# Altium PCB PCB.PcbDoc (part 1 of 4) (continued)
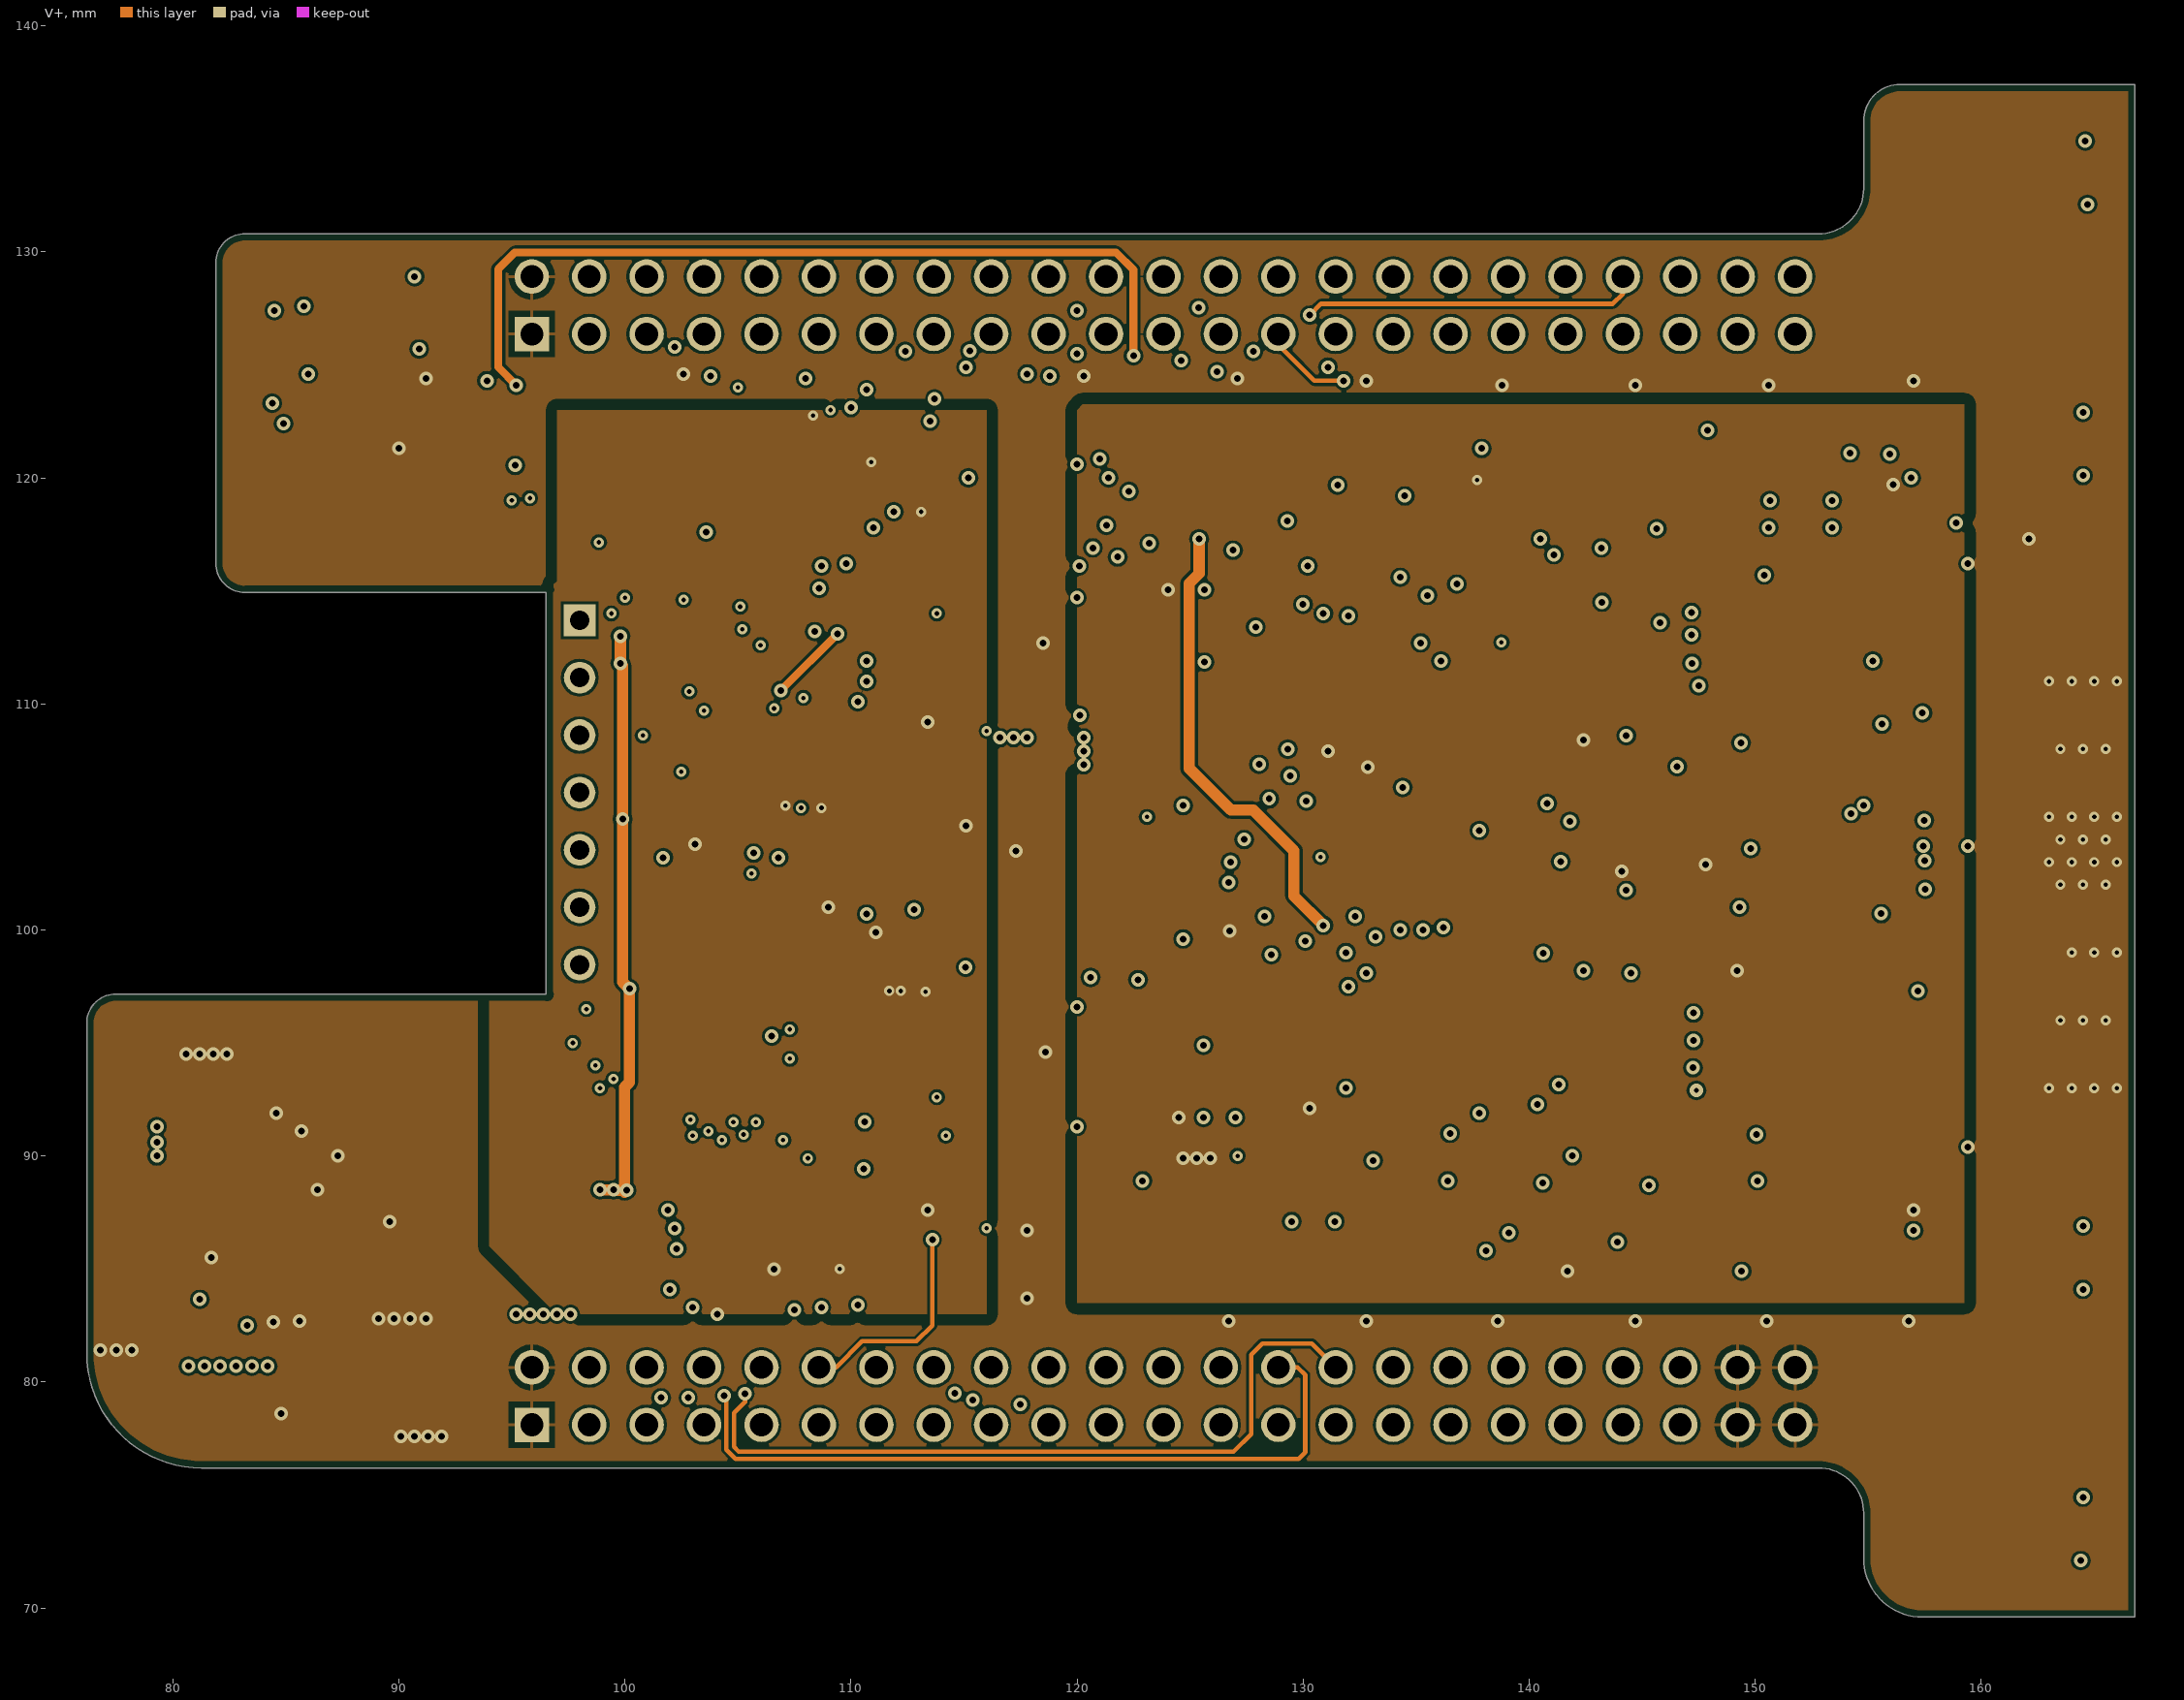
[diagram p4: V+]
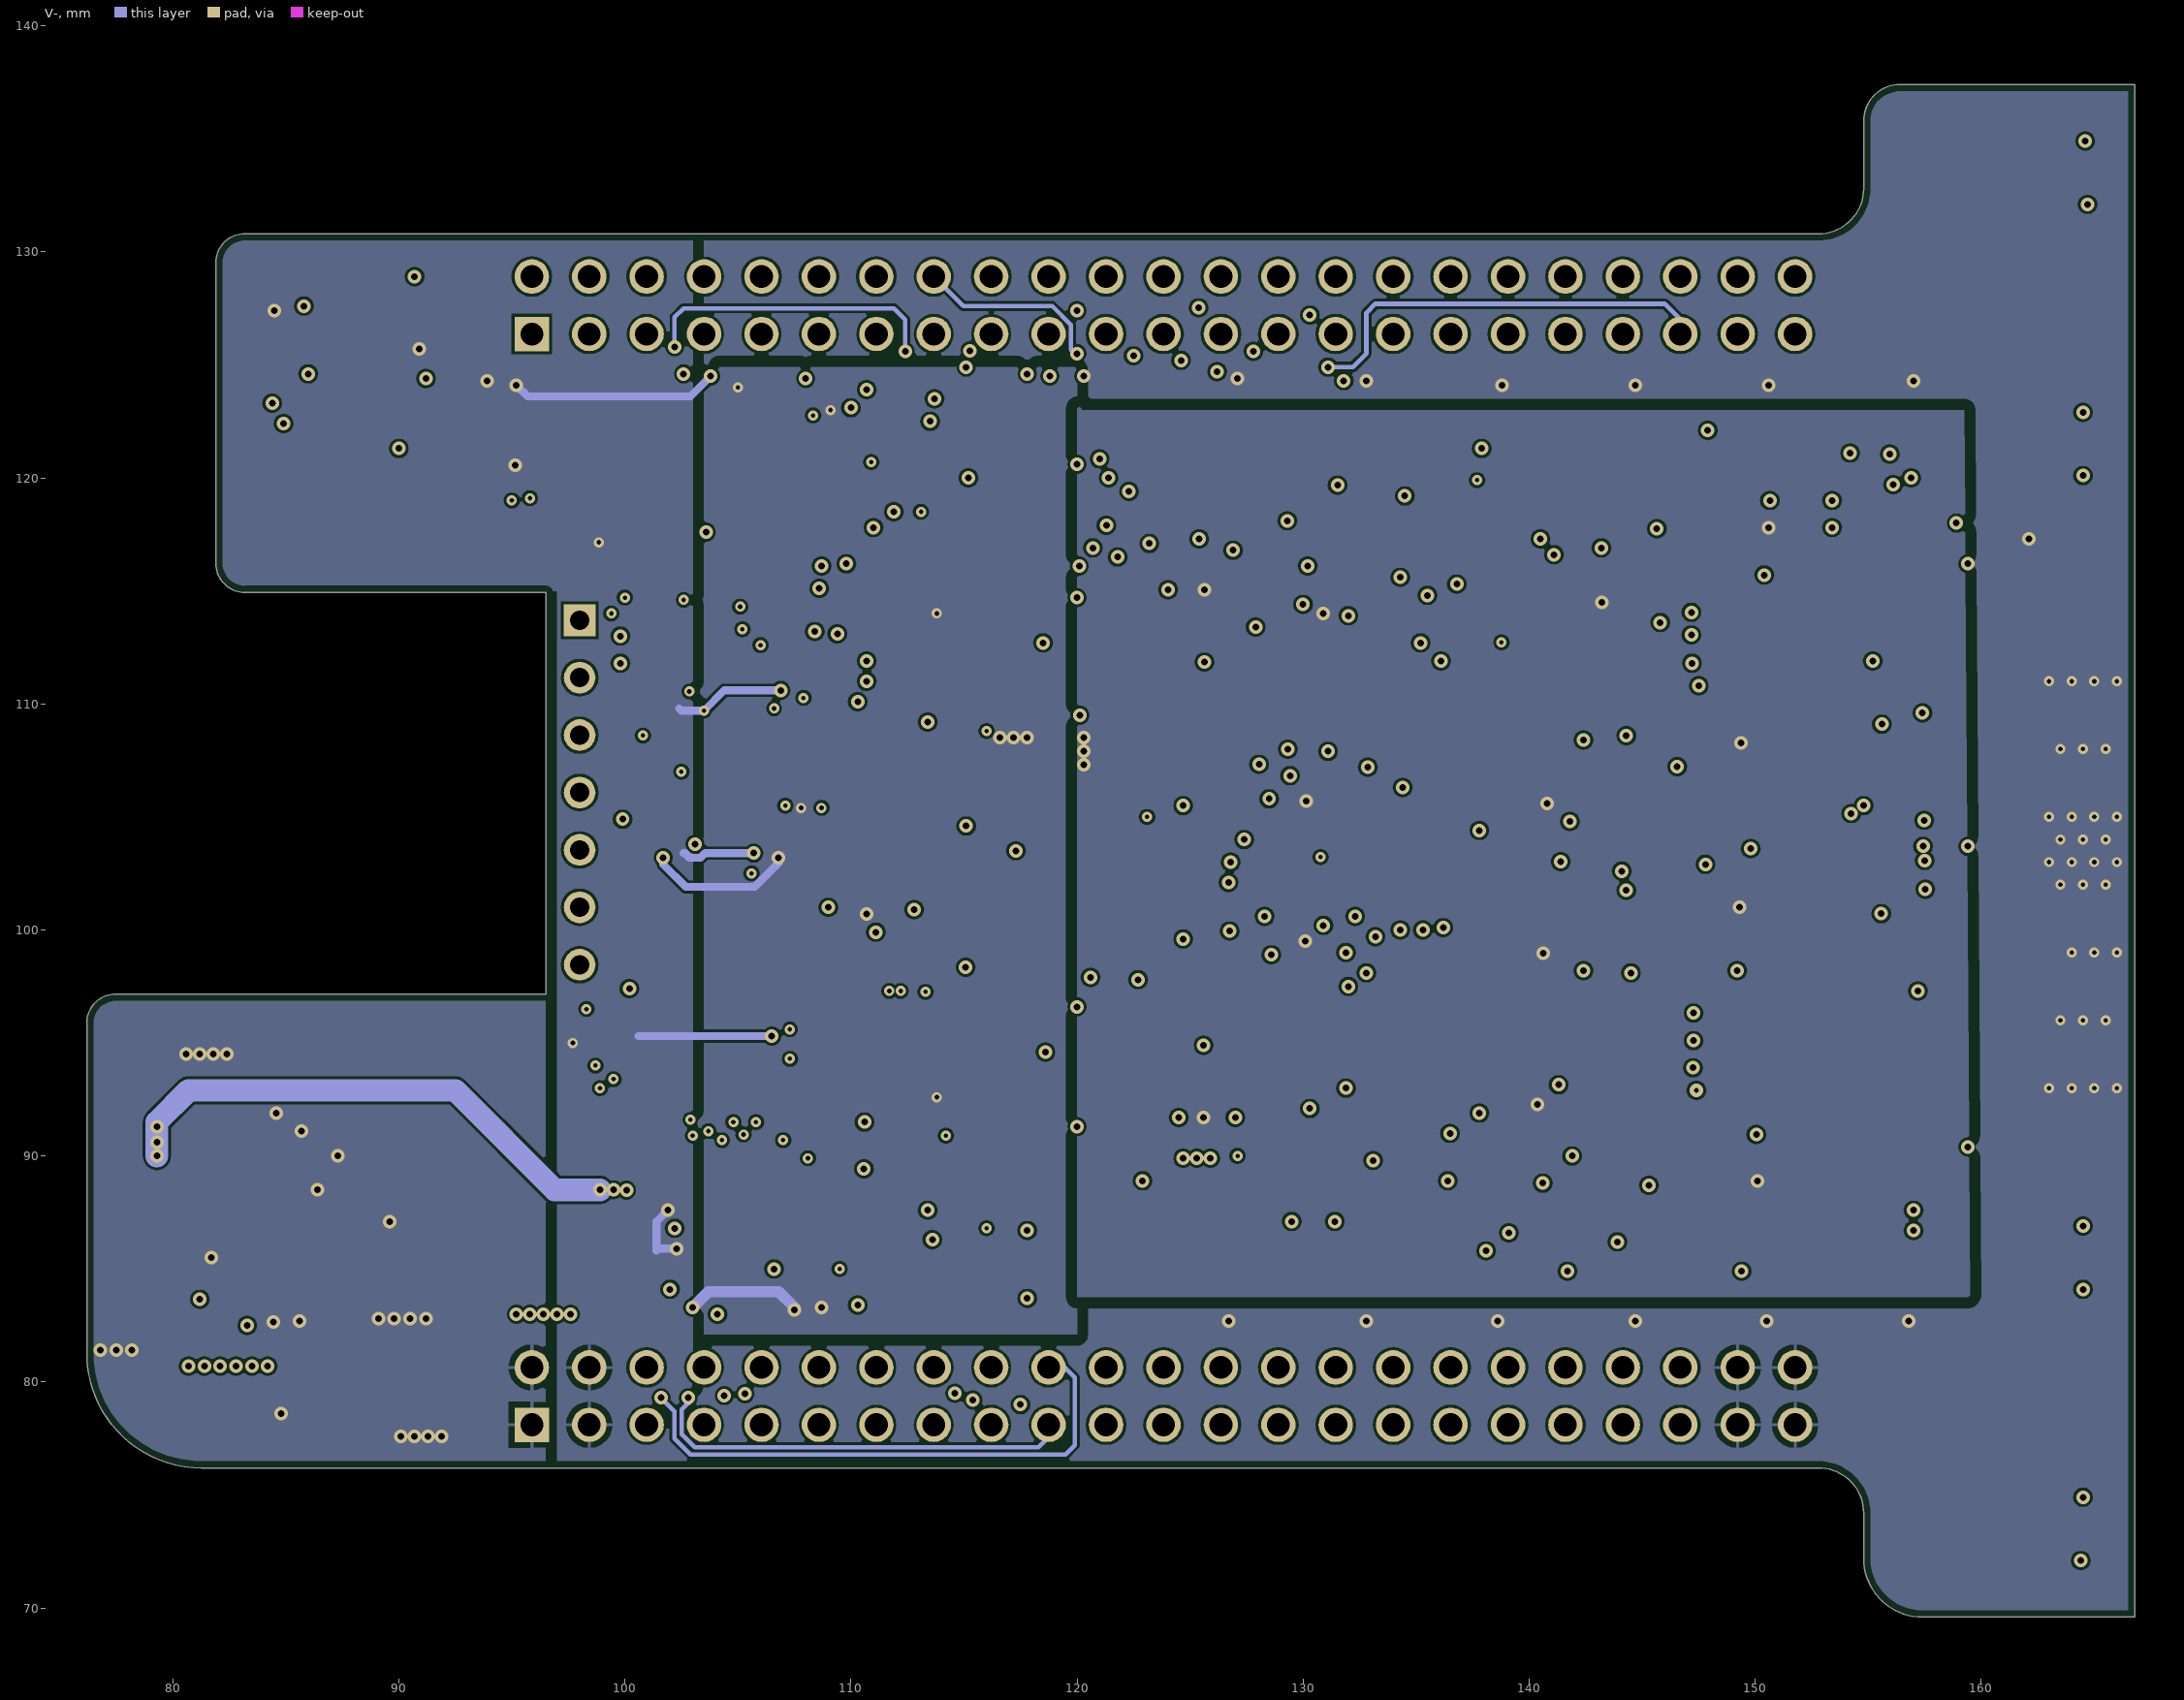
[diagram p5: V-]

## Layer stack, top to bottom
Top Solder: solder mask 0.0102, Solder Resist, Dk 3.5
Component Side: signal copper 0.035
Dielectric 1: prepreg 0.2, FR-4, Dk 4.2
GND: signal copper 0.036
Dielectric 3: core 0.36, Dk 4.2
Inner Layer 1: signal copper 0.035
Dielectric 6: prepreg 0.28, Dk 4.2
V+: signal copper 0.036
Dielectric 5: core 0.36, Dk 4.2
V-: signal copper 0.036
Dielectric 4: prepreg 0.2, Dk 4.2
Bottom Side: signal copper 0.035
Bottom Solder: solder mask 0.0102, Solder Resist, Dk 3.5

## Board outline
81.279,76.2 152.8,76.2 cw(c152.8,74.2) 154.8,74.2 154.8,72.2 ccw(c157.4,72.2) 157.4,69.6 166.8,69.6 166.8,137.4 156.4,137.4 ccw(c156.4,135.8) 154.8,135.8 154.8,132.8 cw(c152.8,132.8) 152.8,130.8 83.195,130.8 ccw(c83.184,129.531) 81.915,129.54 81.915,116.205 ccw(c83.185,116.205) 83.185,114.935 96.52,114.935 96.52,97.155 77.47,97.155 ccw(c77.469,95.886) 76.2,95.885 76.2,81.28 ccw(c81.279,81.279)

## Design rules (kind name [scope] priority, off if disabled: settings)
BoardOutlineClearance [All] p1: gap=0.3
Clearance [All] p1: gap=0.125 except(0.5: Poly-Poly)
ComponentClearance [Not InComponent('S1') vs Not InComponent('S1')] p1: gap=0.1 collisioncheckmode=3 verticalgap=0.254 showdistances=TRUE
DiffPairsRouting [All] p1: maxlimit=10 minlimit=0.125 mostfreqgap=0.15 toplayer_minwidth=0.381 toplayer_maxwidth=0.381 toplayer_prefwidth=0.381 midlayer1_minwidth=0.381 midlayer1_maxwidth=0.381 midlayer1_prefwidth=0.381 midlayer2_minwidth=0.381 midlayer2_maxwidth=0.381 midlayer2_prefwidth=0.381 midlayer3_minwidth=0.381 midlayer3_maxwidth=0.381 midlayer3_prefwidth=0.381 midlayer4_minwidth=0.381 midlayer4_maxwidth=0.381 midlayer4_prefwidth=0.381 bottomlayer_minwidth=0.381 bottomlayer_maxwidth=0.381 bottomlayer_prefwidth=0.381 maxuncoupledlength=12.7
FabricationTestPointUsage FabricationTestPointUsage_1 [All] p1: valid=0 allowmultiple=FALSE
FabricationTestpoint FabricationTestpoint_1 [All] p1: side=3 testpointundercomponent=TRUE minsize=1.016 maxsize=2.54 preferedsize=1.524 minholesize=0 maxholesize=1.016 preferedholesize=0.813 testpointgrid=0.025 allowsidetop=TRUE allowsidebottom=TRUE usegrid=TRUE gridtolerance=0
Height [All] p1: minheight=0 maxheight=30 prefheight=12.7
HoleSize [All] p1: absolutevalues=TRUE maxlimit=6 minlimit=0.2 maxpercent=80.000 minpercent=20.000
HoleSize FabricationTestpoint [All] p2 off: absolutevalues=TRUE maxlimit=2.54 minlimit=0.025 maxpercent=80.000 minpercent=20.000
HoleSize FabricationTestPointUsage [All] p3 off: absolutevalues=TRUE maxlimit=2.54 minlimit=0.025 maxpercent=80.000 minpercent=20.000
MinimumSolderMaskSliver [All] p1: minsoldermaskwidth=0.1
PlaneClearance [All] p1: clearance=0.1
PlaneConnect PlaneConnect_Via [IsVia] p1: planeconnectstyle=Direct reliefexpansion=0.4 reliefentries=4 reliefconductorwidth=0.15 reliefairgap=0.15
PlaneConnect [InPadClass('All Pads')] p2: planeconnectstyle=Relief reliefexpansion=0.4 reliefentries=4 reliefconductorwidth=0.15 reliefairgap=0.15
PolygonConnect PolygonConnect_Via [All vs IsVia] p1: connectstyle=Direct reliefconductorwidth=0.15 reliefentries=4 polygonreliefangle="90 Angle" airgapwidth=0.254
PolygonConnect [All] p2: connectstyle=Relief reliefconductorwidth=0.15 reliefentries=4 polygonreliefangle="90 Angle" airgapwidth=0.254
RoomDefinition RangeValidStretching [InComponentClass('RangeValidStretching')] p1: confinementstyle=ConfineIn formatcopy=TRUE lockcomponents=FALSE outline 102.6,113.4 117.5,113.4 117.5,125.1 102.6,125.1
RoomDefinition "ADC 1" [InComponentClass('ADC 1')] p2: confinementstyle=ConfineIn formatcopy=TRUE lockcomponents=FALSE outline 97.1,103.5 118.4,103.5 118.4,124.6 97.1,124.6
RoomDefinition "Digital Channels 3 & 4" [InComponentClass('Digital Channels 3 & 4')] p3 off: confinementstyle=ConfineIn formatcopy=TRUE lockcomponents=FALSE outline 99.1,100.7 105.5,100.7 105.5,107 99.1,107
RoomDefinition "Digital Channels 1 & 2" [InComponentClass('Digital Channels 1 & 2')] p4 off: confinementstyle=ConfineIn formatcopy=TRUE lockcomponents=FALSE outline 100.4,107.1 106.8,107.1 106.8,113.4 100.4,113.4
RoomDefinition "Digital Channels 5 & 6" [InComponentClass('Digital Channels 5 & 6')] p5 off: confinementstyle=ConfineIn formatcopy=TRUE lockcomponents=FALSE outline 99.9,92.85 106.3,92.85 106.3,99.15 99.9,99.15
RoomDefinition "Current Channel 2" [InComponentClass('Current Channel 2')] p6: confinementstyle=ConfineIn formatcopy=TRUE lockcomponents=FALSE outline 121.1,82.7 176.7,82.7 176.7,103.9 121.1,103.9
RoomDefinition "Voltage Channels 3 & 4" [InComponentClass('Voltage Channels 3 & 4')] p7: confinementstyle=ConfineIn formatcopy=TRUE lockcomponents=FALSE outline 144.596,91.196 144.596,92.804 146.204,92.804 146.204,92.579 147.779,92.579 147.779,91.947 157.554,91.947 157.554,89.786 176.629,89.786 176.629,69.264 161.696,69.264 161.696,84.421 151.971,84.421 151.971,84.964 146.921,84.964 146.921,88.321 145.621,88.321 145.621,91.196
RoomDefinition "Voltage Channels 1 & 2" [InComponentClass('Voltage Channels 1 & 2')] p8: confinementstyle=ConfineIn formatcopy=TRUE lockcomponents=FALSE outline 145.846,113.946 145.846,115.554 146.121,115.554 146.121,118.479 146.296,118.479 146.296,121.304 151.071,121.304 151.071,121.929 154.321,121.929 154.321,122.679 161.696,122.679 161.696,137.743 176.629,137.743 176.629,117.214 157.729,117.214 157.729,116.071 157.729,115.071 155.779,115.071 155.779,114.621 147.454,114.621 147.454,113.946
RoomDefinition "Current Channel 1" [InComponentClass('Current Channel 1')] p9: confinementstyle=ConfineIn formatcopy=TRUE lockcomponents=FALSE outline 121,102.9 177.5,102.9 177.5,122.6 121,122.6
RoomDefinition top [InComponentClass('top')] p10 off: confinementstyle=ConfineIn formatcopy=TRUE lockcomponents=FALSE outline 129.1,127.6 129.1,125.1 131,125.1 131,127.6
RoomDefinition PSU [InComponentClass('PSU')] p11 off: confinementstyle=ConfineIn formatcopy=TRUE lockcomponents=FALSE outline 76.3,76.2 95.8,76.2 95.8,97.4 76.3,97.4
RoomDefinition Cape [InComponentClass('Cape')] p12 off: confinementstyle=ConfineIn formatcopy=TRUE lockcomponents=TRUE outline 81.9,114.4 96.6,114.4 96.6,130.9 81.9,130.9
RoomDefinition "ADC 2" [InComponentClass('ADC 2')] p13: confinementstyle=ConfineIn formatcopy=TRUE lockcomponents=FALSE outline 97.1,81.9 118.4,81.9 118.4,103 97.1,103
RoutingCorners [All] p1: cornerstyle=45-Degree minsetback=1.25 maxsetback=1.25
RoutingVias RoutingVias_Power [InNetClass('Power')] p1: holewidth=0.3 width=0.6 viastyle="Through Hole" minholewidth=0.2 minwidth=0.45 maxholewidth=0.45 maxwidth=0.75
RoutingVias [All] p2: holewidth=0.2 width=0.45 viastyle="Through Hole" minholewidth=0.2 minwidth=0.45 maxholewidth=0.45 maxwidth=0.75
SilkToSilkClearance [All] p1: silktosilkclearance=0.1
SilkToSolderMaskClearance [IsPad] p1: minsilkscreentomaskgap=0.1 clearancetoexposedcopper=TRUE
SolderMaskExpansion [All] p1: expansion=0.075
Width Width_Power [InNetClass('Power')] p1: maxlimit=2 minlimit=0.125 preferedwidth=0.35
Width [All] p2: maxlimit=10 minlimit=0.125 preferedwidth=0.2
18 further rules are at their usual default settings.

## Classes and differential pairs
component class top: J1 S1
channel class adc: "ADC 1" "ADC 2"
component class "ADC 2": C100_2 C101_2 C102_2 C103_2 C104_2 C105_2 C106_2 C107_2 C108_2 C109_2 C110_2 C111_2 C112_2 C113_2 C114_2 C115_2 C116_2 C117_2 C118_2 C119_2 C120_2 C121_2 C122_2 C123_2 C124_2 C125_2 C126_2 C127_2 C128_2 D100_2 D101_2 R100_2 R101_2 R102_2 R103_2 R104_2 R105_2 R106_2 R107_2 R108_2 R109_2 R110_2 R111_2 R112_2 R113_2 R114_2 R115_2 R116_2 U100_2
component class "Voltage Channels 3 & 4": C500_2 C501_2 J500_2 J501_2 R500_2 R501_2 R502_2 R503_2 R504_2 R505_2 R506_2 R507_2 TP500_2 TP501_2 U500_2
component class "Voltage Channels 1 & 2": C500_1 C501_1 J500_1 J501_1 R500_1 R501_1 R502_1 R503_1 R504_1 R505_1 R506_1 R507_1 R606_1 TP500_1 TP501_1 U500_1
channel class voltage_channel: "Voltage Channel1" "Voltage Channel2" "Voltage Channel3" "Voltage Channel4"
channel class current_channel: "Current Channel 1" "Current Channel 2"
component class "Current Channel 1": "*1_Current Channel2" "*2_Current Channel2" "*3_Current Channel2" "*4_Current Channel2" "*5_Current Channel2" "*6_Current Channel2" C300_1 C301_1 C302_1 C303_1 C304_1 C305_1 C306_1 C307_1 C308_1 C309_1 C310_1 C311_1 C312_1 C313_1 C314_1 C315_1 C316_1 C317_1 C318_1 C319_1 C320_1 C321_1 C322_1 C323_1 C324_1 C325_1 "D1_Current Channel2" D300_1 "F1_Current Channel2" F300_1 J300_1 L300_1 Q300_1 Q301_1 "R1_Current Channel2" "R17_Current Channel2" R300_1 R301_1 R302_1 R303_1 R304_1 R305_1 R306_1 R307_1 R308_1 R309_1 R310_1 R311_1 R312_1 R313_1 R314_1 R315_1 R316_1 R317_1 R318_1 R319_1 R320_1 R321_1 R322_1 TP300_1 TP301_1 TP302_1 TP303_1 TP304_1 TP305_1 TP306_1 TP307_1 TP308_1 TP309_1 TP310_1 "U3_Current Channel2" "U4_Current Channel2" "U6_Current Channel2" U300_1 U301_1 U302_1 U303_1 U304_1 U305_1 U306_1 U307_1 "X1_Current Channel2" "X2_Current Channel2"
component class "ADC 1": C100_1 C101_1 C102_1 C103_1 C104_1 C105_1 C106_1 C107_1 C108_1 C109_1 C110_1 C111_1 C112_1 C113_1 C114_1 C115_1 C116_1 C117_1 C118_1 C119_1 C120_1 C121_1 C122_1 C123_1 C124_1 C125_1 C126_1 C127_1 C128_1 D100_1 D101_1 R100_1 R101_1 R102_1 R103_1 R104_1 R105_1 R106_1 R107_1 R108_1 R109_1 R110_1 R111_1 R112_1 R113_1 R114_1 R115_1 R116_1 U100_1
component class psu: C400 C401 C402 C403 C404 C405 C406 C407 C408 C409 C410 C411 C412 C413 C414 C415 C416 C417 C418 C419 C420 C421 C422 C423 C424 C425 C426 C427 C428 C429 C430 C431 C432 C433 C434 D400 D401 L400 L401 L402 L403 L404 L405 L406 L407 L408 R400 R401 R402 R403 R404 R405 R406 R407 R408 R409 R410 R411 R412 R413 R414 TP400 TP401 TP402 TP403 TP404 TP405 TP406 TP407 TP408 TP409 TP410 TP411 U400 U401 U402 U403 U404 U405 U406 U407 U408
component class "Current Channel 2": *1 *2 *3 *4 *5 *6 C300_2 C301_2 C302_2 C303_2 C304_2 C305_2 C306_2 C307_2 C308_2 C309_2 C310_2 C311_2 C312_2 C313_2 C314_2 C315_2 C316_2 C317_2 C318_2 C319_2 C320_2 C321_2 C322_2 C323_2 C324_2 C325_2 D1 D300_2 F1 F300_2 J300_2 L300_2 Q300_2 Q301_2 R1 R17 R300_2 R301_2 R302_2 R303_2 R304_2 R305_2 R306_2 R307_2 R308_2 R309_2 R310_2 R311_2 R312_2 R313_2 R314_2 R315_2 R316_2 R317_2 R318_2 R319_2 R320_2 R321_2 R322_2 TP300_2 TP301_2 TP302_2 TP303_2 TP304_2 TP305_2 TP306_2 TP307_2 TP308_2 TP309_2 TP310_2 U4 U300_2 U301_2 U302_2 U303_2 U304_2 U305_2 U306_2 U307_2 X1 X2
component class cape: C200 C201 J200 LED200 LED201 LED202 R200 R201 R202 R203 R204 R205 R206 R207 R208 R209 SW200 SW201 U200 U201 U202
component class "Digital Channels 1 & 2": C600_1 R600_1 R601_1 R602_1 R603_1 U600_1
component class "Digital Channels 3 & 4": C600_2 R600_2 R601_2 R602_2 R603_2 U600_2
component class "Digital Channels 5 & 6": C600_3 R600_3 R601_3 R602_3 R603_3 U600_3
component class RangeValidStretching: C700 C701 R700 R701 R702 R703 U700 U701
net class DIGITALINPUT[1..6]: DIGITALINPUT1 DIGITALINPUT2 DIGITALINPUT3 DIGITALINPUT4 DIGITALINPUT5 DIGITALINPUT6
channel class digital_voltage_channel: "Digital Channels 1 & 2" "Digital Channels 3 & 4" "Digital Channels 5 & 6"
net class Power: 1.2V 3.3V 5V +2.5V +6.8V -2.5V -5V -6.8V GND V_RAW VCCA+ VCCA- VIN

## Components (designator, comment, footprint, x,y, rotation, side; value= is the part's Value field where it differs from the comment)
C100_1 "1uF" CAPC0402(1005)60_L 107.7,121.3 r270 top (schematic designator C100)
C100_2 "1uF" CAPC0402(1005)60_L 107.7,99.7 r270 top (schematic designator C100)
C101_1 "1uF" CAPC0402(1005)60_L 108.9,121.3 r270 top (schematic designator C101)
C101_2 "1uF" CAPC0402(1005)60_L 108.9,99.7 r270 top (schematic designator C101)
C102_1 "1uF" CAPC0402(1005)60_L 110.1,121.3 r270 top (schematic designator C102)
C102_2 "1uF" CAPC0402(1005)60_L 110.1,99.7 r270 top (schematic designator C102)
C103_1 "1uF" CAPC0402(1005)60_L 104.5,105.9 r270 top (schematic designator C103)
C103_2 "1uF" CAPC0402(1005)60_L 104.1,84.3 r270 top (schematic designator C103)
C104_1 "1uF" CAPC0402(1005)60_L 108.6,106.3 r0 top (schematic designator C104)
C104_2 "1uF" CAPC0402(1005)60_L 108.7,84.6 r90 top (schematic designator C104)
C105_1 "1uF" CAPC0402(1005)60_L 107,106.3 r180 top (schematic designator C105)
C105_2 "1uF" CAPC0402(1005)60_L 107.5,84.6 r90 top (schematic designator C105)
C106_1 "1uF" CAPC0402(1005)60_L 103.3,106.2 r90 top (schematic designator C106)
C106_2 "1uF" CAPC0402(1005)60_L 102.9,84.6 r90 top (schematic designator C106)
C107_1 "1uF" CAPC0402(1005)60_L 100,109 r90 top (schematic designator C107)
C107_2 "1uF" CAPC0402(1005)60_L 99.9,87.4 r90 top (schematic designator C107)
C108_1 "1nF" CAPC0402(1005)60_L 116.7,109.9 r90 top (schematic designator C108)
C108_2 "1nF" CAPC0402(1005)60_L 116.7,87.9 r90 top (schematic designator C108)
C109_1 "1nF" CAPC0402(1005)60_L 116.7,111.8 r270 top (schematic designator C109)
C109_2 "1nF" CAPC0402(1005)60_L 116.7,89.8 r270 top (schematic designator C109)
C110_1 "1nF" CAPC0402(1005)60_L 116.7,113.6 r90 top (schematic designator C110)
C110_2 "1nF" CAPC0402(1005)60_L 116.7,92 r90 top (schematic designator C110)
C111_1 "1nF" CAPC0402(1005)60_L 116.6,115.3 r270 top (schematic designator C111)
C111_2 "1nF" CAPC0402(1005)60_L 116.7,93.7 r270 top (schematic designator C111)
C112_1 "1nF" CAPC0402(1005)60_L 116.6,117.2 r90 top (schematic designator C112)
C112_2 "1nF" CAPC0402(1005)60_L 116.6,95.6 r90 top (schematic designator C112)
C113_1 "1nF" CAPC0402(1005)60_L 116.1,118.9 r270 top (schematic designator C113)
C113_2 "1nF" CAPC0402(1005)60_L 116.1,97.3 r270 top (schematic designator C113)
C114_1 "1nF" CAPC0402(1005)60_L 116.1,121 r90 top (schematic designator C114)
C114_2 "1nF" CAPC0402(1005)60_L 116.1,99.4 r90 top (schematic designator C114)
C115_1 "1nF" CAPC0402(1005)60_L 114.7,110 r90 top (schematic designator C115)
C115_2 "1nF" CAPC0402(1005)60_L 114.7,88 r90 top (schematic designator C115)
C116_1 "1nF" CAPC0402(1005)60_L 114.7,111.8 r270 top (schematic designator C116)
C116_2 "1nF" CAPC0402(1005)60_L 114.7,89.8 r270 top (schematic designator C116)
C117_1 "1nF" CAPC0402(1005)60_L 114.7,113.6 r90 top (schematic designator C117)
C117_2 "1nF" CAPC0402(1005)60_L 114.7,92 r90 top (schematic designator C117)
C118_1 "1nF" CAPC0402(1005)60_L 114.8,115.5 r270 top (schematic designator C118)
C118_2 "1nF" CAPC0402(1005)60_L 114.8,93.8 r270 top (schematic designator C118)
C119_1 "1nF" CAPC0402(1005)60_L 114.7,117.1 r90 top (schematic designator C119)
C119_2 "1nF" CAPC0402(1005)60_L 114.7,95.4 r90 top (schematic designator C119)
C120_1 "1nF" CAPC0402(1005)60_L 114,119.3 r0 top (schematic designator C120)
C120_2 "1nF" CAPC0402(1005)60_L 114.2,98 r270 top (schematic designator C120)
C121_1 "1nF" CAPC0402(1005)60_L 114.1,120.8 r90 top (schematic designator C121)
C121_2 "1nF" CAPC0402(1005)60_L 114.2,99.6 r90 top (schematic designator C121)
C122_1 "100nF" CAPC0402(1005)60_L 106.5,121.7 r270 top (schematic designator C122)
C122_2 "100nF" CAPC0402(1005)60_L 106.5,100.1 r270 top (schematic designator C122)
C123_1 "10uF" CAPC0603(1608)100_L 106.6,123.2 r0 top (schematic designator C123)
C123_2 "10uF" CAPC0603(1608)100_L 106.6,101.5 r0 top (schematic designator C123)
C124_1 "1uF" CAPC0402(1005)60_L 105.3,121.3 r270 top (schematic designator C124)
C124_2 "1uF" CAPC0402(1005)60_L 105.3,99.7 r270 top (schematic designator C124)
C125_1 "1uF" CAPC0402(1005)60_L 105.8,104.5 r180 top (schematic designator C125)
C125_2 "1uF" CAPC0402(1005)60_L 105.8,82.9 r180 top (schematic designator C125)
C126_1 "100nF" CAPC0402(1005)60_L 105.8,105.4 r180 top (schematic designator C126)
C126_2 "100nF" CAPC0402(1005)60_L 105.8,84.1 r180 top (schematic designator C126)
C127_1 "1uF" CAPC0402(1005)60_L 102.9,121.3 r270 top (schematic designator C127)
C127_2 "1uF" CAPC0402(1005)60_L 102.9,99.7 r270 top (schematic designator C127)
C128_1 "22uF" CAPC0805(2012)145_L 104.1,121.9 r270 top (schematic designator C128)
C128_2 "22uF" CAPC0805(2012)145_L 104.1,100.3 r270 top (schematic designator C128)
C200 "100nF" CAPC0402(1005)60_L 121.6,124.5 r0 bottom
C201 "100nF" CAPC0402(1005)60_L 92.6,124.6 r0 top
C300_1 "100nF" CAPC0402(1005)60_L 148.3,103.8 r180 top (schematic designator C300)
C300_2 "100nF" CAPC0402(1005)60_L 145.675,98.618 r0 top (schematic designator C300)
C301_1 "100nF" CAPC0402(1005)60_L 145.8,108.2 r180 top (schematic designator C301)
C301_2 "100nF" CAPC0402(1005)60_L 145.675,102.018 r180 top (schematic designator C301)
C302_1 "100nF" CAPC0402(1005)60_L 145.3,107 r180 top (schematic designator C302)
C302_2 "100nF" CAPC0402(1005)60_L 142.7,102.4 r0 top (schematic designator C302)
C303_1 "100nF" CAPC0402(1005)60_L 139.9,104.5 r0 top (schematic designator C303)